# Altium PCB PCB1.PcbDoc (part 2 of 2)
Units mm, origin at the board's own origin, x right, y up, seen from the top; angles counter-clockwise.
Board outline 131 x 56.04 mm, 2 copper layers (Top Layer, Bottom Layer), stack 1.036 mm thick; 213 components, 147 nets, 680 pads, 334 vias.
Unrouted connection lines stored in the file: 4.
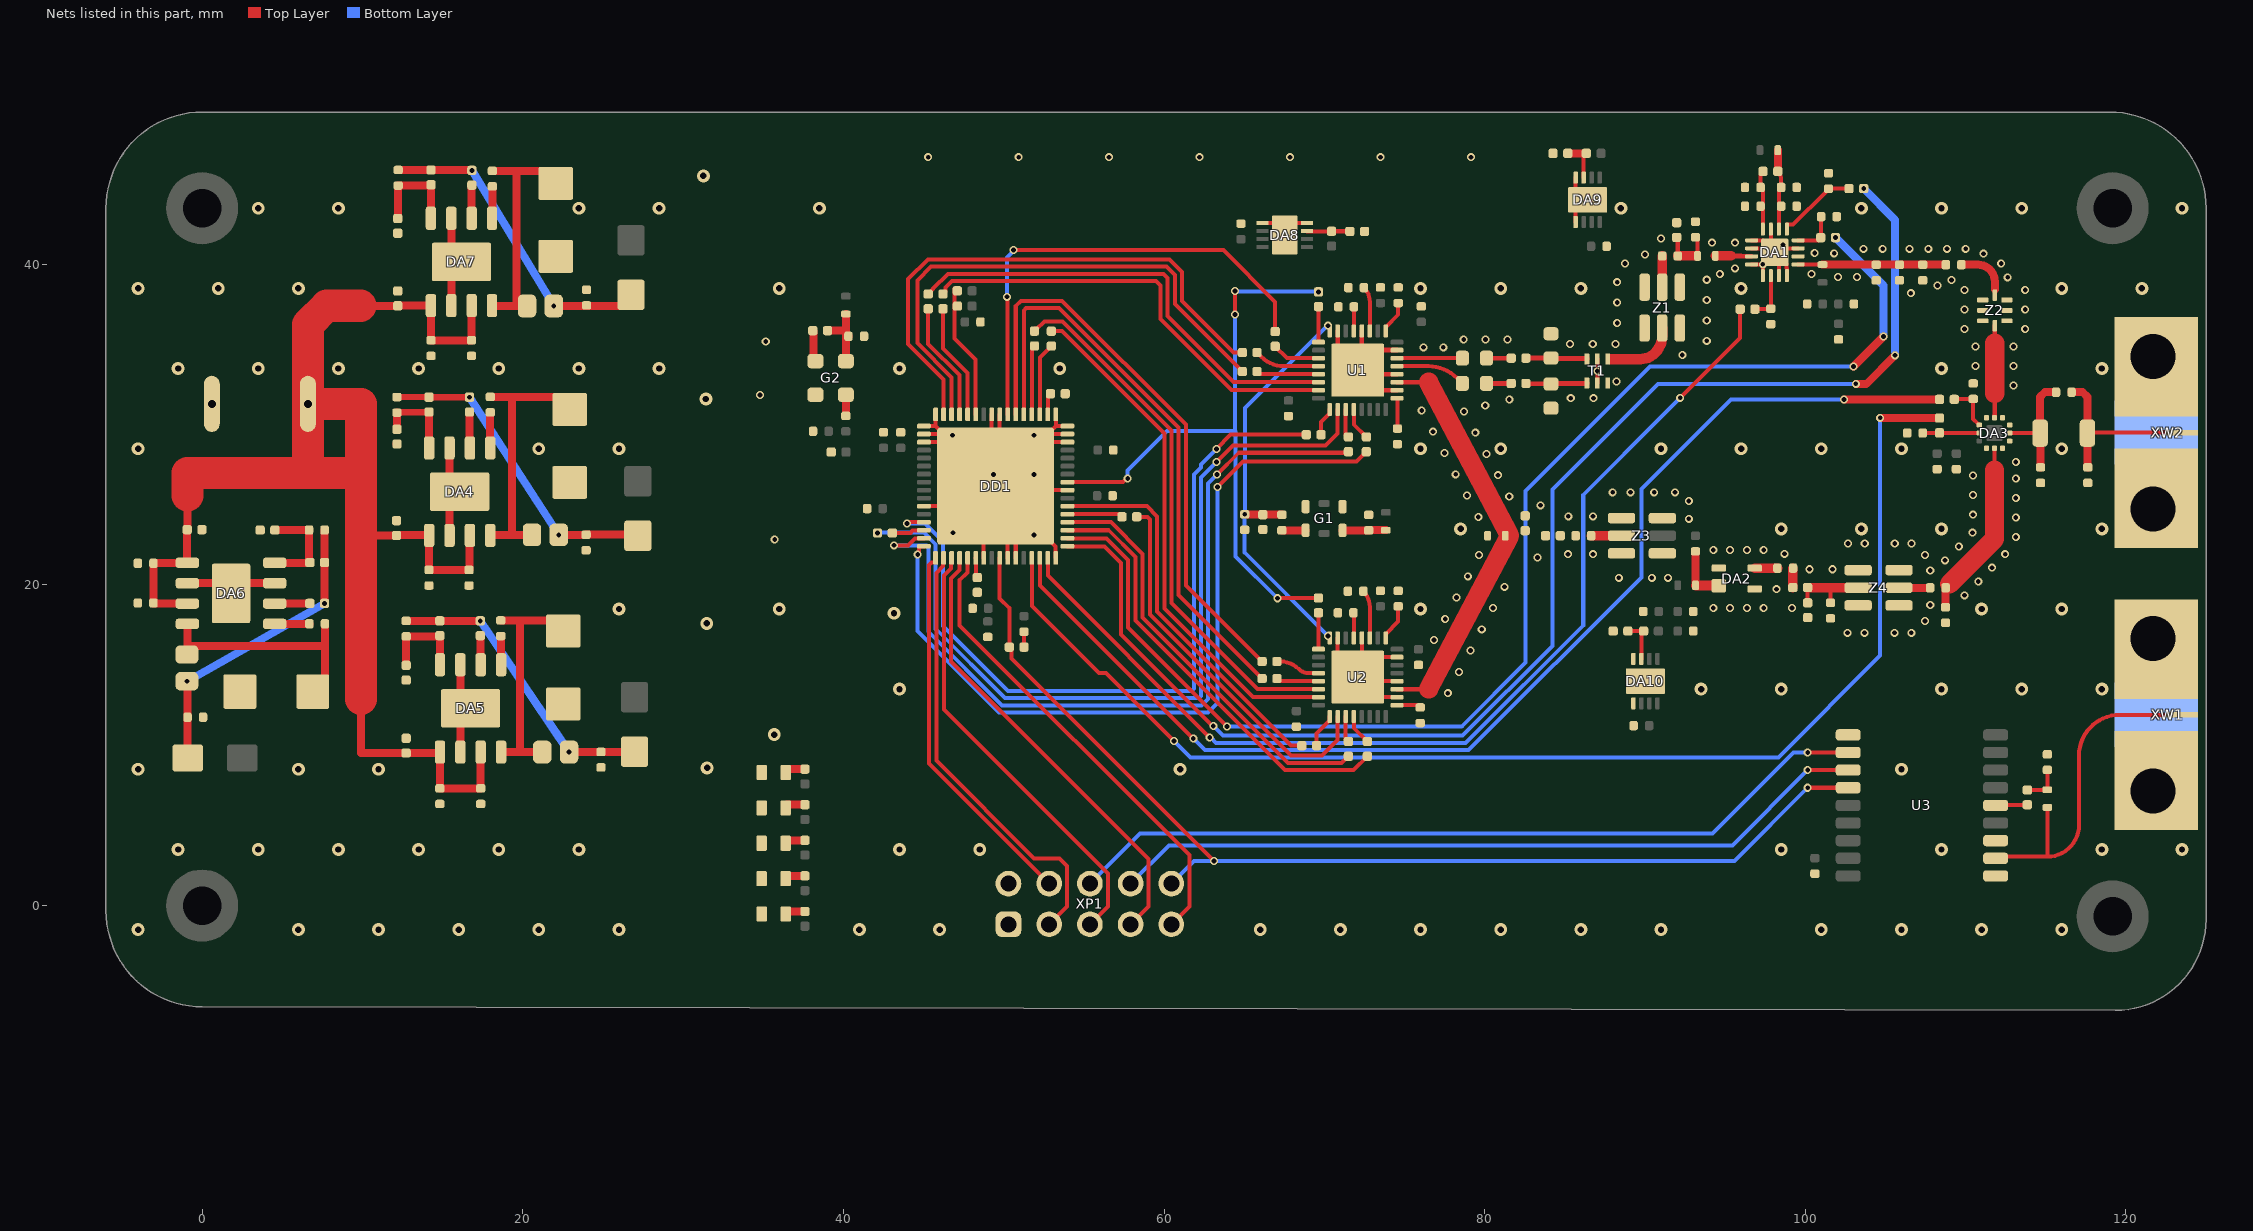
[diagram p2: the nets of this part, all layers, seen from the top]

## Via types
v1: diameter 0.5, hole 0.3, Top Layer to Bottom Layer, tented both sides, 218 vias
v2: diameter 0.8, hole 0.4, Top Layer to Bottom Layer, tented both sides, 98 vias
v3: diameter 0.6, hole 0.3, Top Layer to Bottom Layer, tented both sides, 18 vias

## Nets (pads, with @x,y where several pads share a name; then routed paths per layer and width w, separated by ;. In a path a pad name is that pad's centre, name@x,y a point inside that pad or via, vN(x,y) a via of type N, cw(c..) or ccw(c..) an arc to the next point about the centre after c; other vN are vias at no path point) (continued)
GND: C1.1 C2.1 C3.2 C4.2 C5.2 C6.1 C7.2 C8.1 C9.2 C10.2 C11.2 C12.2 C13.1 C14.1 C15.2 C17.2 C20.1 C21.2 C22.1 C23.1 C24.1 C26.2 C27.1 C28.1 C29.1 C30.1 C31.2 C32.2 C33.2 C34.2 C35.2 C36.2 C38.2 C39.2 C40.2 C41.2 C42.2 C43.2 C44.2 C45.2 C46.2 C47.2 C49.2 C51.2 C53.2 C55.2 C56.1 C58.2 C59.2 C60.1 C61.1 C62.1 C63.1 C64.2 C65.1 C67.1 C68.2 C69.2 C70.2 C71.2 C72.2 C73.2 C74.2 C75.2 C84.2 C85.2 C86.2 C87.2 C88.2 C89.2 C90.2 DA1.1 DA1.2 DA1.4 DA1.5 DA1.7 DA1.8 DA1.11 DA1.15 DA1.17 DA2.2 DA2.4 DA3.1 DA3.3 DA3.4 DA3.6 DA3.10 DA3.12 DA4.3 DA4.6 DA4.9 DA5.3 DA5.6 DA5.9 DA6.3 DA6.6 DA6.9 DA7.3 DA7.6 DA7.9 DA8.4 DA8.5 DA8.9 DA9.4 DA9.5 DA9.9 DA10.4 DA10.5 DA10.9 DD1.7 DD1.10 DD1.11 DD1.16 DD1.24 DD1.30 DD1.31 DD1.32 DD1.33 DD1.40 DD1.41 DD1.48 DD1.49 DD1.50 DD1.51 DD1.59 DD1.65 G1.1 G1.3 G2.2 L7.2 R1.2 R20.2 R22.1 R26.1 R29.1 R34.2 R40.2 R43.2 R48.2 R49.2 R50.2 R51.2 R56.2 R57.2 R58.2 R59.2 R65.2 R67.2 R69.2 T1.2 T1.5 T1.6 U1.4 U1.7 U1.26 U1.28 U1.31 U1.33 U2.4 U2.7 U2.26 U2.28 U2.31 U2.33 U3.1 U3.10 U3.12 VD1.2 VD2.2 VD3.2 VD4.2 VD5.2 VD6.2 VD7.2 VD8.2 VD9.2 XP1.1 XP1.2 XP2.2 XW1.2 XW2.2 Z1.1 Z1.3 Z1.4 Z1.6 Z2.1 Z2.2 Z2.3 Z2.5 Z2.6 Z2.7 Z3.1 Z3.3 Z3.4 Z3.6 Z4.1 Z4.3 Z4.4 Z4.6 | length 133.3
  Top Layer w0.25: DD1.59@45.025,24.913 48.25,24.913 DD1.65@48.75,25.413 ; DD1.51@45.025,28.913 DD1.65@46.75,28.913 ; DD1.50@45.025,29.413 DD1.65@46.25,29.413 ; DD1.49@45.025,29.913 45.75,29.913 ; DD1.48@45.75,30.638 45.75,29.913 ; DD1.7@48.75,21.688 DD1.65@48.75,25.413 ; DD1.41@49.25,30.638 DD1.65@49.25,26.412 ; DD1.40@49.75,30.638 49.75,26.412 DD1.65@49.5,26.163 ; DD1.10@50.25,21.688 DD1.65@50.25,25.413 ; DD1.11@50.75,21.688 DD1.65@50.75,24.881 ; R22.1@51.265,16.121 C39.2@51.265,17.085 ; DD1.16@53.25,21.688 53.225,21.713 53.225,22.406 DD1.65@50.75,24.881 ; DD1.33@53.25,30.638 53.25,29.913 ; DD1.24@53.975,25.913 DD1.65@49.75,25.913 ; DD1.30@53.975,28.913 DD1.65@52.25,28.913 ; DD1.31@53.975,29.413 DD1.65@52.75,29.413 ; DD1.32@53.975,29.913 53.25,29.913 ; C88.2@64.8,42.578 C88.2@64.8,42.588 ; DA8.5@66.14,42.578 DA8.9@67.525,42.578 ; DA8.9@67.525,41.828 DA8.9@67.525,42.578 ; DA8.4@68.91,42.578 DA8.9@67.525,42.578 ; U2.7@70.835,16.697 70.835,14.247 U2.33@72.085,14.247 ; U2.4@72.335,16.697 U2.33@72.335,15.497 ; U2.26@74.535,12.997 72.085,12.997 U2.33@72.085,13.997 ; U2.28@74.535,13.997 U2.33@72.085,13.997 ; U2.31@74.535,15.497 U2.33@72.335,15.497 ; DA9.5@85.665,42.64 DA9.5@85.675,42.64 DA9.9@85.675,44.025 ; DA9.4@85.675,45.41 DA9.9@85.675,44.025 ; DA9.9@86.425,44.025 DA9.9@85.675,44.025 ; T1.5@87.028,32.6 T1.2@87.028,34.1 ; DA1.4@96.65,40 v1(97.35,40) ; DA1.2@96.65,41 DA1.17@97.85,41 ; DA1.1@96.65,41.5 97.102,41.5 97.127,41.475 97.375,41.475 DA1.17@97.85,41 ; DA1.5@97.35,39.3 v1(97.35,40) ; DA1.15@97.85,42.2 DA1.17@97.85,41 ; DA1.7@98.35,39.3 DA1.17@98.35,40.5 ; DA1.8@98.85,39.3 98.85,39.752 98.825,39.777 98.825,40.025 DA1.17@98.35,40.5 ; DA1.11@99.55,41 98.35,41 DA1.17@98.1,40.75 ; 45.75,29.913 DD1.65@46.25,29.413 ; DD1.65@46.25,29.413 DD1.65@46.75,28.913 ; DD1.65@46.75,28.913 DD1.65@49.25,26.412 ; DD1.65@48.75,25.413 DD1.65@49.5,26.163 ; DD1.65@49.25,26.412 DD1.65@49.5,26.163 ; DD1.65@49.5,26.163 DD1.65@49.75,25.913 ; DD1.65@49.5,26.163 DD1.65@52.25,28.913 ; DD1.65@49.75,25.913 DD1.65@50.25,25.413 ; DD1.65@50.25,25.413 50.75,24.913 DD1.65@50.75,24.881 ; DD1.65@52.25,28.913 DD1.65@52.75,29.413 ; DD1.65@52.75,29.413 53.25,29.913 ; U2.33@72.085,13.997 U2.33@72.085,14.247 ; U2.33@72.085,14.247 72.335,14.247 U2.33@72.335,15.497 ; U2.33@72.085,14.247 72.085,15.497 U2.33@72.335,15.497 ; v1(97.35,40) DA1.17@98.1,40.75 ; DA1.17@97.85,41 DA1.17@98.1,40.75 ; DA1.17@98.1,40.75 DA1.17@98.35,40.5
  Top Layer w0.3: U1.7@70.835,35.847 70.835,33.897 U1.33@72.085,32.647 ; U1.33@70.859,34.622 U1.33@72.085,33.397 ; U1.4@72.335,35.847 U1.33@72.335,34.647 ; U1.26@74.535,32.147 72.085,32.147 U1.33@72.085,33.147 ; U1.28@74.535,33.147 U1.33@72.085,33.147 ; U1.31@74.535,34.647 U1.33@72.335,34.647 ; U1.33@72.085,33.147 U1.33@72.085,33.397 ; U1.33@72.085,33.397 72.085,34.647 U1.33@72.335,34.647 ; U1.33@72.085,33.397 72.335,33.397 U1.33@72.335,34.647
  Top Layer w0.5: DA6.6@-0.925,20.11 DA6.9@1.8,20.11 ; DA6.9@1.8,19.475 DA6.9@1.8,20.11 ; DA6.3@4.525,20.11 DA6.9@1.8,20.11 ; R56.2@12.125,28.79 R56.2@12.15,28.79 ; DA4.6@15.431,23.091 15.431,25.181 DA4.9@16.066,25.816 15.431,26.451 DA4.3@15.431,28.541 ; DA7.6@15.54,37.425 DA7.9@15.54,40.15 ; DA7.3@15.54,42.875 DA7.9@15.54,40.15 ; DA5.6@16.105,9.575 DA5.9@16.105,12.3 ; DA5.3@16.105,15.025 DA5.9@16.105,12.3 ; DA7.9@16.175,40.15 DA7.9@15.54,40.15 ; DA5.9@16.74,12.3 DA5.9@16.105,12.3
  other v1: 77.701,13.249 78.407,14.576 79.113,15.904 76.832,16.558 102.643,17.017 103.692,17.017 105.564,17.017 106.613,17.017 79.819,17.232 107.469,17.753 77.538,17.885 80.525,18.559 94.261,18.566 95.31,18.566 96.36,18.566 97.409,18.566 99.163,18.566 107.795,18.741 78.244,19.213 109.933,19.354 98.198,19.735 81.231,19.887 110.795,20.216 88.368,20.446 90.425,20.446 91.441,20.446 78.95,20.54 107.795,20.903 100.255,20.979 101.703,20.979 111.657,21.078 108.713,21.538 83.301,21.706 79.656,21.868 107.469,21.868 85.193,21.919 86.768,21.919 112.473,21.919 98.706,21.944 94.261,22.182 95.31,22.182 96.36,22.182 97.409,22.182 109.576,22.4 102.66,22.579 103.71,22.579 105.581,22.579 106.631,22.579 35.714,22.833 113.133,22.986 110.438,23.262 92.737,24.129 113.133,24.205 79.604,24.247 85.218,24.281 86.768,24.281 110.466,24.383 83.49,24.968 92.737,25.246 113.133,25.424 81.534,25.517 78.898,25.575 110.466,25.602 87.987,25.78 89.105,25.78 90.578,25.78 91.873,25.78 113.133,26.643 110.466,26.821 80.829,26.845 78.192,26.902 113.133,27.663 80.123,28.172 77.486,28.23 79.417,29.5 76.78,29.558 78.711,30.828 76.074,30.885 80.037,31.19 81.535,31.571 85.371,31.647 86.793,31.647 34.799,31.85 112.981,32.435 88.228,32.7 87.028,33.35 110.618,33.654 112.981,33.654 92.33,34.34 76.176,34.822 77.421,34.822 110.618,34.873 112.981,34.873 85.32,35.025 86.742,35.025 88.165,35.025 35.155,35.178 93.854,35.229 78.691,35.305 80.062,35.305 81.434,35.305 109.933,35.965 113.717,35.965 88.266,36.346 93.854,36.499 109.933,37.184 113.717,37.184 88.266,37.616 93.854,37.769 106.58,38.2 109.933,38.404 113.717,38.404 108.256,38.683 88.266,38.886 109.12,39.013 93.854,39.039 112.625,39.191 102.033,39.216 103.227,39.216 94.667,39.394 100.382,39.394 95.607,39.75 88.749,40.055 112.219,40.055 89.994,40.613 111.126,40.664 101.805,40.69 100.585,40.715 103.633,40.969 104.827,40.969 106.504,40.969 107.672,40.969 108.84,40.969 110.009,40.969 98.604,41.223 94.185,41.35 95.607,41.35 90.999,41.619 45.29,46.684 50.933,46.684 56.576,46.684 62.219,46.684 67.862,46.684 73.505,46.684 79.148,46.684
  other v2: -4,-1.5 6,-1.5 11,-1.5 16,-1.5 21,-1.5 26,-1.5 41,-1.5 46,-1.5 66,-1.5 71,-1.5 76,-1.5 81,-1.5 86,-1.5 91,-1.5 101,-1.5 106,-1.5 111,-1.5 116,-1.5 -1.5,3.5 3.5,3.5 8.5,3.5 13.5,3.5 18.5,3.5 23.5,3.5 43.5,3.5 48.5,3.5 98.5,3.5 108.5,3.5 118.5,3.5 123.5,3.5 -4,8.5 6,8.5 11,8.5 61,8.5 106,8.5 31.496,8.585 35.687,10.668 43.5,13.5 93.5,13.5 98.5,13.5 108.5,13.5 113.5,13.5 118.5,13.5 31.471,17.602 43.155,18.237 26,18.5 36,18.5 76,18.5 111,18.5 116,18.5 78.5,23.5 98.5,23.5 103.5,23.5 108.5,23.5 118.5,23.5 -4,28.5 21,28.5 26,28.5 76,28.5 81,28.5 91,28.5 96,28.5 101,28.5 106,28.5 116,28.5 31.42,31.598 -1.5,33.5 3.5,33.5 8.5,33.5 13.5,33.5 18.5,33.5 23.5,33.5 28.5,33.5 43.5,33.5 53.5,33.5 108.5,33.5 118.5,33.5 -4,38.5 1,38.5 6,38.5 36,38.5 76,38.5 81,38.5 86,38.5 96,38.5 116,38.5 121,38.5 3.5,43.5 8.5,43.5 23.5,43.5 28.5,43.5 38.5,43.5 88.5,43.5 103.5,43.5 108.5,43.5 113.5,43.5 123.5,43.5 31.267,45.517
  other v3: 51.89,23.108 46.843,23.252 49.367,26.893 51.89,26.893 46.796,29.341 51.89,29.341
GPS_NSS: DD1.9 R22.2 U3.4 XP1.10 | length 69.1
  Top Layer w0.25: DD1.9@49.75,21.688 49.75,19.146 50.345,18.551 R22.2@50.345,16.121 50.498,15.968 50.498,15.402 v1(63.125,2.775) ; v1(100.15,7.35) U3.4@102.675,7.35
  Bottom Layer w0.25: XP1.10@60.455,1.37 61.86,2.775 95.575,2.775 v1(100.15,7.35)
GPS_RX: U3.3 XP1.8 | length 47.7
  Top Layer w0.25: v1(100.15,8.45) U3.3@102.675,8.45
  Bottom Layer w0.25: XP1.8@57.915,1.37 60.295,3.75 95.45,3.75 v1(100.15,8.45)
GPS_TX: U3.2 XP1.6 | length 50.7
  Top Layer w0.25: v1(100.15,9.55) U3.2@102.675,9.55
  Bottom Layer w0.25: XP1.6@55.375,1.37 58.505,4.5 94.211,4.5 99.261,9.55 v1(100.15,9.55)
IRXD_A: R36.2 U1.15 | length 28
  Top Layer w0.25: R36.2@46.213,38.147 46.365,38.299 46.365,38.561 46.766,38.962 59.506,38.962 59.777,38.691 59.777,36.58 64.21,32.147 U1.15@69.635,32.147
IRXD_B: R32.1 U2.15 | length 32.5
  Top Layer w0.25: R32.1@52.969,35.829 53.634,35.829 60.016,29.447 60.016,18.527 65.546,12.997 U2.15@69.635,12.997
ITXD_A: DD1.46 R6.1 | length 33.7
  Top Layer w0.25: DD1.46@46.75,30.638 46.75,32.946 44.61,35.087 44.61,38.997 45.474,39.862 60.149,39.862 60.677,39.335 60.677,37.52 R6.1@64.885,33.312
ITXD_B: DD1.37 R10.1 | length 37.1
  Top Layer w0.25: DD1.37@51.25,30.638 51.25,37.129 51.396,37.275 53.461,37.275 60.916,29.82 60.916,19.367 R10.1@66.122,14.162
LNA_A_CTRL: DD1.14 R44.1 | length 74.4
  Top Layer w0.25: DD1.14@52.25,21.688 52.25,19.975 61.8,10.425 v1(61.825,10.425)
  Top Layer w0.5: v1(102.425,31.575) R44.1@108.375,31.575
  Bottom Layer w0.25: v1(61.825,10.425) 62.554,9.696 79.005,9.696 89.775,20.466 89.775,25.975 95.375,31.575 v1(102.425,31.575)
MISO_A: R35.2 U1.18 | length 52.4
  Top Layer w0.25: v1(63.271,27.671) 64.298,28.697 70.074,28.697 70.835,29.457 U1.18@70.835,30.947
  Bottom Layer w0.25: v1(42.13,23.242) 42.16,23.272 43.712,23.272 43.721,23.263 44.198,23.263 44.207,23.272 45.018,23.272 45.76,22.53 45.76,17.268 50.093,12.934 62.158,12.934 62.304,13.081 62.304,26.704 v1(63.271,27.671)
MISO_B: R31.1 U2.18 | length 24.1
  Top Layer w0.25: R31.1@58.295,24.254 58.96,24.254 59.116,24.097 59.116,18.154 67.91,9.36 69.856,9.36 70.835,10.338 U2.18@70.835,11.797
MOSI_A: DD1.63 R5.1 | length 52
  Top Layer w0.25: v1(43.16,22.472) 44.044,22.472 44.459,22.888 45,22.888 DD1.63@45.025,22.913 ; v1(63.298,26.884) 64.661,28.247 71.435,28.247 R5.1@71.5,28.312
  Bottom Layer w0.25: v1(43.16,22.472) 45.182,22.472 45.31,22.344 45.31,17.081 49.907,12.484 62.344,12.484 62.754,12.894 62.754,26.34 v1(63.298,26.884)
MOSI_B: DD1.20 R9.1 | length 26.2
  Top Layer w0.25: DD1.20@53.975,23.913 56.688,23.913 58.666,21.934 58.666,17.968 67.734,8.9 71.085,8.9 R9.1@71.5,9.315
NetC3_1: C3.1 U1.25 | length 1.9
  Top Layer w0.25: U1.25@74.535,31.647 74.56,31.622 C3.1@74.56,29.757
NetC4_1: C4.1 U2.25 | length 1.5
  Top Layer w0.25: U2.25@74.535,12.497 75.842,12.497 C4.1@75.982,12.357
NetC5_1: C5.1 U1.3 | length 2.8
  Top Layer w0.25: C5.1@72.47,38.547 cw(c71.588,37.666) 72.835,37.666 U1.3@72.835,35.847
NetC7_1: C7.1 U2.3 | length 3
  Top Layer w0.25: C7.1@72.432,19.61 cw(c71.459,18.637) 72.835,18.637 U2.3@72.835,16.697
NetC9_1: C9.1 U1.5 | length 1.5
  Top Layer w0.25: U1.5@71.835,35.847 71.84,35.852 71.84,37.342 C9.1@71.845,37.347
NetC10_1: C10.1 U2.5 | length 1.6
  Top Layer w0.25: C10.1@71.817,18.265 71.835,18.247 U2.5@71.835,16.697
NetC11_1: C11.1 U1.1 | length 2.1
  Top Layer w0.25: U1.1@73.835,35.847 73.835,36.097 74.61,36.872 C11.1@74.61,37.587
NetC12_1: C12.1 U2.1 | length 2.3
  Top Layer w0.25: U2.1@73.835,16.697 73.835,16.947 74.607,17.719 C12.1@74.607,18.665
NetC15_1: C15.1 G1.6 L1.2 | length 2.7
  Top Layer w0.5: G1.6@71.135,23.409 C15.1@72.768,23.408 72.767,23.417 L1.2@73.835,23.417 ; C15.1@72.768,23.408 C15.1@72.783,23.393
NetC16_1: C16.1 G1.4 | length 1.5
  Top Layer w0.5: C16.1@67.35,23.41 G1.4@68.835,23.41
NetC18_1: C18.1 U1.30 | length 4.1
  Top Layer w0.25: U1.30@74.535,34.147 C18.1@78.61,34.147
NetC18_2: C18.2 R15.1 | length 1.7
  Top Layer w0.3: C18.2@80.12,34.147 R15.1@81.655,34.147 R15.1@81.547,34.04
NetC19_1: C19.1 U1.29 | length 4.4
  Top Layer w0.25: U1.29@74.535,33.647 76.482,33.647 cw(c76.482,31.107) 78.278,32.903 C19.1@78.61,32.572
NetC19_2: C19.2 R16.1 | length 1.5
  Top Layer w0.3: C19.2@80.12,32.572 R16.1@81.655,32.572
NetC20_2: C20.2 R15.2 T1.3 | length 3.9
  Top Layer w0.3: R15.2@82.575,34.147 82.581,34.153 84.133,34.153 C20.2@84.14,34.16 C20.2@84.17,34.13 ; C20.2@84.14,34.1 C20.2@84.17,34.13 ; T1.3@86.378,34.1 86.378,34.13 C20.2@84.17,34.13
NetC21_1: C21.1 R16.2 T1.4 | length 3.9
  Top Layer w0.3: R16.2@82.575,32.572 82.591,32.556 84.036,32.556 84.08,32.6 C21.1@84.14,32.54 84.17,32.57 86.378,32.57 T1.4@86.378,32.6
NetC25_1: C25.1 Z1.5 | length 2
  Top Layer w0.6: Z1.5@91.075,38.575 C25.1@91.075,40.525
NetC25_2: C25.2 C26.1 L2.1 R20.1 | length 3.5
  Top Layer w0.25: R20.1@91.975,41.68 92.045,41.61 C25.2@92.045,40.525 ; C26.1@93.15,41.69 93.278,41.562 L2.1@93.278,40.527
  Top Layer w0.6: C25.2@92.045,40.525 L2.1@93.188,40.525
NetC31_1: C31.1 C33.1 C35.1 C37.1 DA1.9 DA1.10 L4.2 | length 9.2
  Top Layer w0.25: DA1.9@99.55,40 101.06,40 L4.2@101.075,39.985 L4.2@101.08,39.98 ; C31.1@104.42,39.98 C31.1@104.425,39.975
  Top Layer w0.5: L4.2@101.08,39.98 C31.1@104.42,39.98 ; C31.1@104.425,39.975 C33.1@105.875,39.975 C35.1@107.325,39.975 C37.1@108.765,39.975
NetC37_2: C37.2 Z2.8 | length 3.2
  Top Layer w0.5: C37.2@109.735,39.975 110.781,39.975 cw(c110.781,38.931) 111.825,38.931 111.825,38.425
NetC46_1: C46.1 G2.4 L5.2 R30.1 | length 4.2
  Top Layer w0.5: R30.1@39.01,35.863 40.165,35.863 40.158,35.87 ; G2.4@40.15,33.963 40.158,33.97 C46.1@40.158,35.512 ; L5.2@40.15,36.908 40.158,36.9 40.158,35.87 ; C46.1@40.315,35.512 40.315,35.537 40.158,35.695 40.158,35.87
NetC48_1: C48.1 G2.3 | length 1.3
  Top Layer w0.5: C48.1@40.15,30.548 G2.3@40.15,31.862
NetC50_2: C50.2 DA2.1 L6.2 | length 3.6
  Top Layer w0.25: C50.2@93.15,22.095 C50.2@93.152,22.093 ; L6.2@93.152,19.978 L6.2@93.155,19.975 L6.2@93.167,19.963 ; DA2.1@94.592,19.963 DA2.1@94.605,19.95
  Top Layer w0.5: L6.2@93.152,19.978 C50.2@93.152,22.093
  Top Layer w0.6: L6.2@93.167,19.963 DA2.1@94.592,19.963
NetC52_1: C52.1 R41.1
NetC52_2: C52.2 Z3.2 | length 1.9
  Top Layer w0.6: C52.2@86.645,23.072 Z3.2@88.535,23.072
NetC54_1: C54.1 DA2.3 | length 1.4
  Top Layer w0.6: DA2.3@96.845,21.05 C54.1@98.265,21.05
NetC54_2: C54.2 R42.2 | length 1.2
  Top Layer w0.25: R42.2@99.225,19.835 R42.2@99.23,19.84 ; C54.2@99.23,21.045 C54.2@99.235,21.05
  Top Layer w0.6: R42.2@99.23,19.84 C54.2@99.23,21.045
NetC56_2: C56.2 R42.1 R43.1 Z4.2 | length 5.1
  Top Layer w0.25: R42.1@100.145,19.835 R42.1@100.147,19.832 ; R43.1@100.15,18.885 100.147,18.888 R42.1@100.147,19.832 ; R42.1@100.15,19.83 R42.1@100.147,19.832 ; 101.521,19.83 101.575,19.776 C56.2@101.575,18.885 ; Z4.2@103.295,19.83 Z4.2@103.3,19.825
  Top Layer w0.6: R42.1@100.15,19.83 101.521,19.83 Z4.2@103.295,19.83
NetC57_1: C57.1 Z4.5 | length 1.9
  Top Layer w0.5: Z4.5@105.85,19.825 C57.1@107.785,19.825
NetC59_1: C59.1 L8.1 R46.1 | length 2.5
  Top Layer w0.25: R46.1@113.85,7.21 113.86,7.22 115.09,7.22 L8.1@115.1,7.23 C59.1@115.1,8.465
NetC65_2: C65.2 C66.2 DA3.2 R47.1 | length 7.4
  Top Layer w0.25: DA3.2@112.75,29.475 R47.1@114.65,29.475
  Top Layer w0.5: C65.2@114.675,27.335 114.662,27.348 114.662,29.463 R47.1@114.65,29.475 114.65,31.732 114.943,32.025 C66.2@115.64,32.025
NetC66_1: C66.1 C67.2 R47.2 XW2.1 | length 11.4
  Top Layer w0.25: R47.2@117.625,29.5 XW2.1@123.498,29.5
  Top Layer w0.5: C66.1@116.61,32.025 117.307,32.025 117.6,31.732 R47.2@117.6,29.475 ; R47.2@117.613,29.463 117.613,27.348 C67.2@117.625,27.335
NetC76_1: C76.1 DA4.1 | length 2.2
  Top Layer w0.25: DA4.1@17.955,28.575 DA4.1@17.965,28.585 ; C76.1@17.965,30.755 C76.1@17.975,30.765
  Top Layer w0.5: DA4.1@17.955,28.575 17.955,30.75 17.97,30.765 C76.1@17.975,30.765
NetC76_2: C76.2 DA4.8 L9.1 VD6.1 | length 16.2
  Top Layer w0.5: DA4.8@17.955,23.125 19.34,23.125 ; C76.2@17.975,31.735 19.34,31.735 ; L9.1@20.275,23.125 19.34,23.125 ; VD6.1@22.925,30.95 22.875,30.95 22.09,31.735 19.34,31.735 ; 19.34,23.125 19.34,31.735
NetC77_1: C77.1 DA5.1 | length 1.8
  Top Layer w0.5: C77.1@18.625,16.815 18.645,16.815 DA5.1@18.645,15.025
NetC77_2: C77.2 DA5.8 L10.1 VD7.1 | length 16.7
  Top Layer w0.5: C77.2@18.625,17.785 19.825,17.785 ; DA5.8@18.645,9.575 19.825,9.575 ; VD7.1@22.525,17.125 22.525,17.785 19.825,17.785 ; 19.825,9.575 L10.1@21.215,9.575 19.825,9.575 ; 19.825,9.575 19.825,17.785
NetC78_1: C78.1 DA6.1 | length 2.2
  Top Layer w0.5: DA6.1@4.525,17.57 6.69,17.57 C78.1@6.69,17.575
NetC78_2: C78.2 DA6.8 L11.1 VD8.1 | length 16.9
  Top Layer w0.5: DA6.8@-0.925,17.57 L11.1@-0.925,16.2 ; VD8.1@7.05,12.85 7.66,12.85 7.66,16.2 ; C78.2@7.66,17.575 7.66,16.2 ; L11.1@-0.925,16.2 -0.925,15.41 L11.1@-0.925,16.2 ; L11.1@-0.925,16.2 7.66,16.2
NetC79_1: C79.1 DA7.1 | length 2
  Top Layer w0.5: DA7.1@18.08,42.875 18.1,42.875 C79.1@18.1,44.865
NetC79_2: C79.2 DA7.8 L12.1 VD9.1 | length 15.4
  Top Layer w0.5: DA7.8@18.08,37.425 18.08,37.4 19.6,37.4 ; C79.2@18.1,45.835 19.6,45.835 ; L12.1@20.265,37.4 19.6,37.4 ; VD9.1@22.05,45.05 22.05,45.835 19.6,45.835 ; 19.6,37.4 19.6,45.835
NetC80_1: C80.1 C84.1 L9.2 R52.2 R60.1 VD10.2 | length 18.9
  Top Layer w0.381: C80.1@12.15,31.72 12.155,31.715 14.145,31.715 R60.1@14.15,31.71 v1(16.675,31.71) ; VD10.2@26.335,23.135 VD10.2@26.35,23.15
  Top Layer w0.5: v1(22.245,23.125) 22.25,23.13 23.945,23.13 C84.1@23.95,23.135 26.335,23.135 26.35,23.135 VD10.2@26.35,23.15
  Bottom Layer w0.5: v1(16.675,31.71) v1(22.245,23.125)
NetC80_2: C80.2 DA4.4 R56.1 R60.2 | length 5.3
  Top Layer w0.381: C80.2@12.15,30.75 12.17,30.77 14.13,30.77 R60.2@14.15,30.79 ; DA4.4@14.145,28.575 DA4.4@14.147,28.578
  Top Layer w0.5: R56.1@12.15,29.71 C80.2@12.15,30.75 ; R60.2@14.13,30.77 14.147,30.753 DA4.4@14.147,28.578
NetC81_1: C81.1 C85.1 L10.2 R53.2 R61.1 VD11.2 | length 18.6
  Top Layer w0.5: C81.1@12.725,17.76 R61.1@14.825,17.76 v1(17.35,17.76) ; v1(22.885,9.575) 22.885,9.585 C85.1@24.875,9.585 26.975,9.585 VD11.2@26.975,9.6
  Bottom Layer w0.5: v1(17.35,17.76) v1(22.885,9.575)
NetC81_2: C81.2 DA5.4 R57.1 R61.2 | length 5.8
  Top Layer w0.5: R57.1@12.725,14.985 C81.2@12.725,16.79 14.825,16.79 R61.2@14.825,16.84 14.835,16.84 DA5.4@14.835,15.025
NetC82_1: C82.1 C86.1 L11.2 R54.2 R62.1 VD12.2 | length 19
  Top Layer w0.5: L11.2@-0.95,13.74 -0.93,13.72 -0.93,11.765 C86.1@-0.915,11.75 -0.915,9.45 VD12.2@-0.9,9.45 ; v1(-0.95,13.99) -0.925,13.965 L11.2@-0.925,13.74 ; v1(7.635,18.85) R62.1@7.635,21.4 C82.1@7.635,23.425
  Bottom Layer w0.5: v1(-0.95,13.99) v1(7.635,18.85)
NetC82_2: C82.2 DA6.4 R58.1 R62.2 | length 6.4
  Top Layer w0.5: DA6.4@4.525,21.38 6.715,21.38 R62.2@6.715,21.4 6.665,21.4 C82.2@6.665,23.425 R58.1@4.535,23.425
NetC83_1: C83.1 C87.1 L12.2 R55.2 R63.1 VD13.2 | length 20.5
  Top Layer w0.5: C83.1@12.225,45.885 R63.1@14.275,45.885 16.825,45.885 v1(16.825,45.86) ; v1(21.935,37.4) 21.935,37.415 27.25,37.415 VD13.2@27.25,38.1
  Bottom Layer w0.5: v1(16.825,45.86) v1(21.935,37.4)
NetC83_2: C83.2 DA7.4 R59.1 R63.2 | length 6.3
  Top Layer w0.5: R59.1@12.2,42.86 12.225,42.86 C83.2@12.225,44.915 R63.2@14.27,44.915 ; DA7.4@14.27,42.875 R63.2@14.27,44.915 ; R63.2@14.27,44.915 14.27,44.965 R63.2@14.275,44.965 14.275,44.915 R63.2@14.27,44.915
NetDA1_3: DA1.3 L2.2 | length 2.5
  Top Layer w0.25: DA1.3@96.375,40.5 DA1.3@96.65,40.5
  Top Layer w0.3: 95.373,40.527 95.959,40.527 cw(c95.959,40.434) 96.025,40.5 DA1.3@96.65,40.5
  Top Layer w0.6: L2.2@94.388,40.527 95.373,40.527
NetDA4_2: DA4.2 R52.1 | length 2.2
  Top Layer w0.381: R52.1@16.675,30.79 R52.1@16.68,30.785 ; DA4.2@16.68,28.58 DA4.2@16.685,28.575
  Top Layer w0.5: DA4.2@16.68,28.58 R52.1@16.68,30.785
NetDA5_2: DA5.2 R53.1 | length 1.8
  Top Layer w0.5: R53.1@17.35,16.84 17.35,15.025 DA5.2@17.375,15.025
NetDA6_2: DA6.2 R54.1 | length 2.2
  Top Layer w0.5: DA6.2@4.525,18.84 4.525,18.85 R54.1@6.715,18.85
NetDA7_2: DA7.2 R55.1 | length 2.1
  Top Layer w0.5: DA7.2@16.81,42.875 16.81,44.94 R55.1@16.825,44.94
NetDA8_3: DA8.3 R64.2 R65.1 | length 2.7
  Top Layer w0.25: DA8.3@68.91,42.078 68.91,42.063 R64.2@70.45,42.063
  Top Layer w0.3: R64.2@70.45,42.063 70.455,42.058 71.585,42.058 R65.1@71.59,42.053
NetDA9_3: DA9.3 R66.2 R67.1 | length 2.7
  Top Layer w0.25: DA9.3@86.175,45.41 86.175,46.925 R66.2@86.29,46.925
  Top Layer w0.5: R67.1@85.185,46.925 R66.2@86.175,46.925 ; R66.2@86.29,46.925 R66.2@86.34,46.925
NetDA10_3: DA10.3 R68.2 R69.1 | length 2.7
  Top Layer w0.25: R69.1@88.935,17.125 R68.2@89.775,17.125 ; DA10.3@89.775,15.385 R68.2@89.775,17.125 ; R68.2@89.915,17.125 R68.2@89.775,17.125
NetDD1_6: DD1.6 R26.2 | length 1.3
  Top Layer w0.25: DD1.6@48.25,21.688 48.275,21.663 48.275,20.535 R26.2@48.35,20.46
NetDD1_21: DD1.21 R31.2 | length 3.5
  Top Layer w0.25: DD1.21@53.975,24.413 57.205,24.413 57.364,24.254 R31.2@57.375,24.254
NetDD1_34: DD1.34 R29.2 | length 1.4
  Top Layer w0.25: DD1.34@52.75,30.638 52.75,31.765 R29.2@52.915,31.93
NetDD1_35: DD1.35 R32.2 | length 4.6
  Top Layer w0.25: DD1.35@52.25,30.638 52.25,34.19 R32.2@52.969,34.909
NetDD1_36: DD1.36 R33.2 | length 4.3
  Top Layer w0.25: DD1.36@51.75,30.638 51.75,34.732 51.919,34.901 R33.2@51.919,34.911
NetDD1_43: DD1.43 R38.1 R39.1 | length 8.4
  Top Layer w0.25: R39.1@46.938,38.492 46.938,35.371 48.25,34.058 DD1.43@48.25,30.638
NetDD1_44: DD1.44 R36.1 | length 7.2
  Top Layer w0.25: R36.1@46.213,37.227 46.213,34.757 47.75,33.219 DD1.44@47.75,30.638
NetDD1_45: DD1.45 R37.1 | length 7.4
  Top Layer w0.25: R37.1@45.288,37.227 45.288,35.045 47.25,33.083 DD1.45@47.25,30.638
NetDD1_62: DD1.62 R35.1 | length 2
  Top Layer w0.25: R35.1@43.05,23.242 44.177,23.242 44.323,23.388 45,23.388 DD1.62@45.01,23.397
NetG2_1: G2.1 R30.2 | length 2
  Top Layer w0.5: R30.2@38.09,35.862 38.13,35.822 38.13,34.082 G2.1@38.25,33.963
NetL8_2: L8.2 U3.11 XW1.1 | length 21.6
  Top Layer w0.25: U3.11@111.875,2.975 111.95,3.05 115.1,3.05 ccw(c115.1,5.025) 117.075,5.025 117.075,9.36 cw(c119.615,9.36) 119.615,11.9 XW1.1@123.498,11.9 ; 115.1,3.062 L8.2@115.1,6.12
NetR2_2: R2.2 U1.9 | length 2.2
  Top Layer w0.25: U1.9@69.635,35.147 R2.2@69.635,37.362
NetR3_2: R3.2 U1.11 | length 3
  Top Layer w0.25: R3.2@66.935,34.887 67.675,34.147 U1.11@69.635,34.147
NetR4_2: R4.2 U1.17 | length 1.8
  Top Layer w0.25: R4.2@69.795,29.372 69.795,30.157 70.335,30.697 U1.17@70.335,30.947
NetR5_2: R5.2 U1.19 | length 1.8
  Top Layer w0.25: U1.19@71.335,30.947 71.335,29.397 R5.2@71.5,29.232
NetR6_2: R6.2 U1.13 | length 3.9
  Top Layer w0.25: R6.2@65.805,33.312 65.815,33.312 65.98,33.147 U1.13@69.635,33.147
NetR7_2: R7.2 U2.9 | length 2.3
  Top Layer w0.25: R7.2@69.632,18.265 69.635,18.265 U2.9@69.635,15.997
NetR8_2: R8.2 U2.17 | length 2.2
  Top Layer w0.25: R8.2@69.517,9.975 69.517,10.729 70.335,11.547 U2.17@70.335,11.797
NetR9_2: R9.2 U2.19 | length 1.6
  Top Layer w0.25: U2.19@71.335,11.797 71.335,10.4 R9.2@71.5,10.235
NetR10_2: R10.2 U2.13 | length 2.7
  Top Layer w0.25: R10.2@67.042,14.162 67.207,13.997 U2.13@69.635,13.997
NetR11_2: R11.2 U2.20 | length 1.9
  Top Layer w0.25: U2.20@71.835,11.797 71.835,11.082 R11.2@72.682,10.235
NetR12_2: R12.2 U1.20 | length 2
  Top Layer w0.25: U1.20@71.835,30.947 71.835,30.017 R12.2@72.62,29.232
NetR13_2: R13.2 U1.12 | length 4.1
  Top Layer w0.25: R13.2@65.805,34.497 66.068,34.234 ccw(c67.485,35.651) 67.485,33.647 U1.12@69.635,33.647
NetR14_2: R14.2 U2.12 | length 2.8
  Top Layer w0.25: R14.2@67.042,15.225 67.26,15.225 cw(c67.26,13.603) 68.407,14.75 ccw(c69.017,15.361) 69.017,14.497 U2.12@69.635,14.497
NetR23_2: R23.2 VD1.1 | length 1.3
  Top Layer w0.5: VD1.1@36.4,-0.525 36.4,-0.44 36.475,-0.365 R23.2@37.6,-0.365
NetR24_2: R24.2 VD2.1 | length 1.3
  Top Layer w0.5: VD2.1@36.4,1.681 36.4,1.779 36.475,1.854 R24.2@37.6,1.854
NetR25_2: R25.2 VD3.1 | length 1.3
  Top Layer w0.5: VD3.1@36.4,3.888 36.4,3.997 36.475,4.072 R25.2@37.6,4.072
NetR27_2: R27.2 VD4.1 | length 1.4
  Top Layer w0.5: VD4.1@36.4,6.094 36.4,6.216 36.475,6.291 R27.2@37.6,6.291
NetR28_2: R28.2 VD5.1 | length 1.4
  Top Layer w0.5: VD5.1@36.4,8.3 36.4,8.435 36.475,8.51 R28.2@37.6,8.51
NetR46_2: R46.2 U3.14 | length 2
  Top Layer w0.25: U3.14@111.875,6.275 111.883,6.283 113.842,6.283 R46.2@113.85,6.29
NSS_A: DD1.64 R12.1 | length 50.4
  Top Layer w0.25: v1@44.682,21.945 v1(44.635,21.897) 44.635,21.965 44.725,22.055 44.725,22.388 44.75,22.413 DD1.64@45.025,22.413 ; v1(63.329,26.102) 64.924,27.697 72.005,27.697 R12.1@72.62,28.312
  Bottom Layer w0.25: v1(44.635,21.897) 44.635,17.12 49.72,12.034 62.733,12.034 63.329,12.631 v1(63.329,26.102)
NSS_B: DD1.19 R11.1 | length 27.6
  Top Layer w0.25: DD1.19@53.975,23.413 56.551,23.413 58.216,21.747 58.216,17.781 67.547,8.45 71.817,8.45 R11.1@72.682,9.315
PA_A_CTRL: DD1.15 R19.1 | length 65.6
  Top Layer w0.25: DD1.15@52.75,21.688 52.75,20.575 v1(62.85,10.475) ; v1(92.2,31.675) 95.94,35.415 R19.1@95.94,37.2
  Bottom Layer w0.25: v1(62.85,10.475) 62.918,10.475 63.247,10.146 78.819,10.146 86.15,17.477 86.15,25.625 91.175,30.65 v1(92.2,31.675)
PA_G0: DD1.18 R17.1 | length 82
  Top Layer w0.25: DD1.18@53.975,22.913 56.415,22.913 57.766,21.561 57.766,17.334 v1(63.929,11.171) ; v1(103,33.625) v1@103.01,33.635
  Top Layer w0.5: v1@103.01,33.635 v1(104.875,35.5)
  Bottom Layer w0.25: v1(63.929,11.171) 78.571,11.171 82.55,15.15 82.55,25.875 90.3,33.625 v1(103,33.625)
  Bottom Layer w0.5: v1(101.885,41.665) 104.875,38.675 v1(104.875,35.5)
PA_G1: DD1.17 R18.1 | length 85.9
  Top Layer w0.25: DD1.17@53.975,22.413 56.278,22.413 57.316,21.375 57.316,16.909 63.025,11.2 v1(63.075,11.2) ; v1(103.15,32.55) v1@103.175,32.525
  Top Layer w0.5: v1@103.175,32.525 103.8,32.525 v1(105.6,34.325)
  Bottom Layer w0.25: v1(63.075,11.2) 63.679,10.596 78.632,10.596 84.225,16.189 84.225,25.95 90.825,32.55 v1(103.15,32.55)
  Bottom Layer w0.5: v1(103.645,44.725) 105.6,42.77 v1(105.6,34.325)
PWR_MAIN: C68.1 C69.1 C70.1 C71.1 C72.1 C73.1 C74.1 C75.1 DA4.5 DA4.7 DA5.5 DA5.7 DA6.5 DA6.7 DA7.5 DA7.7 R48.1 R49.1 R50.1 R51.1 XP2.1 | length 95.8
  Top Layer w0.3: DA4.5@14.147,23.088 14.151,23.091 DA4.5@14.161,23.091
  Top Layer w0.381: R48.1@12.125,23.09 R48.1@12.142,23.108 ; DA4.5@14.145,23.125 14.127,23.108 DA4.5@14.147,23.088 ; C68.1@14.147,20.938 C68.1@14.15,20.935 ; C72.1@16.65,20.935 C72.1@16.667,20.953 ; DA4.7@16.667,23.108 DA4.7@16.685,23.125
  Top Layer w0.5: C70.1@-3.04,18.85 -0.925,18.85 DA6.7@-0.925,18.84 ; C70.1@-3.04,18.875 C74.1@-3.04,21.35 -3.025,21.365 -0.95,21.365 DA6.5@-0.935,21.38 ; DA6.5@-0.925,21.38 DA6.5@-0.935,21.38 ; -0.925,25.575 -0.925,23.45 R50.1@-0.935,23.45 DA6.5@-0.935,21.38 ; 9.89,37.415 R51.1@12.2,37.415 12.205,37.42 DA7.5@14.27,37.42 ; 9.9,12.875 9.9,9.515 R49.1@12.725,9.515 DA5.5@14.835,9.515 ; 9.9,23.023 9.9,23.09 R48.1@12.125,23.09 ; R48.1@12.142,23.108 DA4.5@14.127,23.108 ; DA4.5@14.145,23.125 14.147,23.123 14.147,23.088 C68.1@14.147,20.938 ; C68.1@14.15,20.935 C72.1@16.65,20.935 16.652,20.935 16.667,20.95 16.667,20.953 DA4.7@16.667,23.108 ; DA7.5@14.27,37.415 DA7.5@14.27,37.42 ; C73.1@14.825,7.31 C73.1@14.835,7.31 ; DA5.5@14.835,9.575 DA5.5@14.835,9.515 ; DA7.7@16.81,37.425 16.8,37.425 C71.1@16.8,35.26 C75.1@14.275,35.26 DA7.5@14.275,37.425 ; DA5.7@17.375,9.575 C69.1@17.375,7.31 C73.1@14.835,7.31 ; DA7.5@14.27,37.42 DA7.5@14.27,37.425 DA7.5@14.275,37.425 ; DA7.5@14.27,37.42 DA7.5@14.275,37.425 ; C73.1@14.835,7.31 DA5.5@14.835,9.515
  Top Layer w2: -0.925,25.575 -0.925,26.975 6.6,26.975 ; 9.89,37.415 7.772,37.415 6.6,36.243 XP2.1@6.6,31.3 ; 9.9,12.875 9.9,23.023 ; 9.9,23.09 9.9,26.975 ; 6.6,26.975 9.9,26.975 ; 6.6,26.975 XP2.1@6.6,31.3 ; XP2.1@6.6,31.3 9.9,31.3 9.9,26.975
QRXD_A: R37.2 U1.14 | length 29.1
  Top Layer w0.25: R37.2@45.288,38.147 45.288,38.158 45.598,38.468 45.598,38.486 46.523,39.412 59.956,39.412 60.227,39.141 60.227,36.766 64.346,32.647 U1.14@69.635,32.647
QRXD_B: R33.1 U2.14 | length 33.9
  Top Layer w0.25: R33.1@51.919,35.831 R33.1@51.94,35.853 ; R33.1@51.94,35.996 R33.1@51.94,35.853 ; U2.14@69.635,13.497 65.832,13.497 60.466,18.863 60.466,28.997 60.466,29.634 53.656,36.444 52.531,36.444 52.012,35.925 R33.1@51.94,35.853
QTXD_A: DD1.47 R13.1 | length 34.2
  Top Layer w0.25: DD1.47@46.25,30.638 46.25,32.81 44.035,35.025 44.035,39.072 45.274,40.312 60.336,40.312 61.127,39.521 61.127,37.706 64.336,34.497 R13.1@64.885,34.497
QTXD_B: DD1.38 R14.1 | length 37.5
  Top Layer w0.25: DD1.38@50.75,30.638 50.75,37.4 51.075,37.725 53.011,37.725 53.648,37.725 61.366,30.006 61.366,19.98 R14.1@66.122,15.225
RADIO_A_EN: DD1.13 R45.1 | length 81
  Top Layer w0.25: DD1.13@51.75,21.688 51.75,18.7 55.939,14.511 56.389,14.511 v1(60.625,10.275)
  Top Layer w0.5: v1(104.675,30.425) 104.69,30.41 R45.1@108.375,30.41
  Bottom Layer w0.25: v1(60.625,10.275) 61.654,9.246 98.321,9.246 104.675,15.6 v1(104.675,30.425)
RADIO_RST: DD1.25 R2.1 R7.1 | length 40.1
  Top Layer w0.25: DD1.25@53.975,26.412 53.98,26.417 57.437,26.417 57.667,26.647 v1(57.735,26.647) ; v1(64.421,36.868) v1(64.421,38.343) ; v1(67.073,19.171) 67.087,19.185 R7.1@69.632,19.185
  Bottom Layer w0.25: v1(57.735,26.647) 57.735,27.147 60.188,29.6 64.421,29.6 ; v1(64.421,36.868) 64.421,29.6 ; v1(64.421,38.343) 64.451,38.313 69.604,38.313 v1(69.635,38.282) ; v1(67.073,19.171) 64.46,21.784 64.46,29.561 64.421,29.6
RF_CLK: C16.2 C17.1 R1.1 U1.8 U2.8 | length 26
  Top Layer w0.5: C17.1@65.047,24.395 66.152,24.395 R1.1@66.164,24.382 66.162,24.38 C16.2@67.35,24.38
  Bottom Layer w0.25: v1(70.232,16.825) 65.035,22.022 v1(65.035,24.407) 65.06,24.432 65.06,31.047 70.185,36.172 v1(70.235,36.172)
RF_IN: L7.1 R40.1 R41.2 U1.27 U2.27 | length 25.4
  Top Layer w0.3: U2.27@74.535,13.497 U2.27@74.86,13.497 ; U1.27@74.535,32.647 74.86,32.647 cw(c74.86,32.222) 74.862,32.647 76.506,32.638 ; U2.27@74.862,13.497 76.506,13.506
  Top Layer w1.2: 76.506,13.506 81.501,22.96 ; 76.506,32.638 81.501,23.184 81.556,23.079
RF_OUT: T1.1 Z1.2 | length 4.8
  Top Layer w0.25: Z1.2@91.075,35.644 Z1.2@91.075,35.969
  Top Layer w0.65: 87.884,34.087 89.707,34.087 ccw(c89.707,35.388) 90.627,34.468 ccw(c89.546,35.549) 91.075,35.549 91.075,35.644 Z1.2@91.075,36.025
RFPA_G8: C22.2 DA1.12 R17.2 | length 2.8
  Top Layer w0.25: DA1.12@99.55,41.5 100.8,41.5 R17.2@100.965,41.665 100.978,41.678 100.978,42.962 C22.2@100.99,42.975
RFPA_G16: C23.2 DA1.13 R18.2 | length 5.1
  Top Layer w0.25: DA1.13@98.85,42.2 98.85,42.475 99.247,42.475 101.29,44.518 101.29,44.576 C23.2@101.429,44.715 ; C23.2@101.45,44.715 C23.2@101.429,44.715 ; R18.2@102.725,44.725 102.72,44.72 101.434,44.72 C23.2@101.429,44.715
RFPA_VB: C28.2 C30.2 DA1.16 R21.2 | length 3.7
  Top Layer w0.25: DA1.16@97.35,42.2 97.35,44.66 C28.2@97.21,44.8 97.21,45.426 cw(c97.739,45.426) R21.2@97.365,45.8
RFPA_VPD: C24.2 DA1.6 R19.2 | length 3.1
  Top Layer w0.25: R19.2@96.86,37.2 96.877,37.217 97.832,37.217 C24.2@97.85,37.235 DA1.6@97.85,39.3
RFPA_VСС1: C27.2 C29.2 DA1.14 L3.2 R21.1 | length 5
  Top Layer w0.25: R21.1@98.285,45.8 cw(c97.79,45.305) 98.49,45.305 C27.2@98.49,44.8 98.35,44.66 DA1.14@98.35,42.2
  Top Layer w0.5: R21.1@98.285,45.8 L3.2@98.285,47.125
RFSW_CTRL: C60.2 DA3.7 R44.2 | length 3
  Top Layer w0.25: R44.2@109.295,31.575 109.307,31.588 110.462,31.588 C60.2@110.475,31.6 110.475,30.35 110.8,30.025 110.8,30 110.825,29.975 DA3.7@110.85,29.975
RFSW_EN: C61.2 DA3.8 R45.2 | length 3.5
  Top Layer w0.25: C61.2@107.325,29.475 107.333,29.483 108.367,29.483 R45.2@108.375,29.49 108.383,29.483 110.843,29.483 DA3.8@110.85,29.475
RFSW_IN: C57.2 C58.1 DA3.11 | length 10.8
  Top Layer w0.25: 111.8,27.175 DA3.11@111.8,28.525
  Top Layer w0.5: C58.1@108.75,18.61 108.753,18.613 C57.2@108.753,19.823
  Top Layer w1.2: 108.994,20.064 111.8,22.87 111.8,27.175
RFSW_OUT: DA3.5 Z2.4 | length 5.8
  Top Layer w0.3: DA3.5@111.8,30.425 111.8,30.45 111.8,30.525 cw(c112.225,30.525) 111.815,30.637 ccw(c111.525,30.714) 111.825,30.712 111.825,31.95 ; 111.825,35.075 Z2.4@111.825,36.175
  Top Layer w1.2: 111.825,31.95 111.825,35.075
SCK_A: DD1.61 R4.1 | length 48
  Top Layer w0.25: v1(43.96,23.838) 44.027,23.838 44.102,23.913 DD1.61@45.025,23.913 ; v1(63.271,28.484) 64.16,29.372 R4.1@68.875,29.372
  Bottom Layer w0.25: v1(43.96,23.838) 45.089,23.838 46.21,22.717 46.21,17.454 50.279,13.384 61.708,13.384 61.854,13.531 61.854,26.89 62.304,27.34 62.304,27.517 v1(63.271,28.484)
SCK_B: DD1.22 R8.1 | length 24.3
  Top Layer w0.25: DD1.22@53.975,24.913 58.937,24.913 59.566,24.284 59.566,18.34 67.932,9.975 R8.1@68.597,9.975
SP_CLKO: DD1.39 R3.1 | length 29.9
  Top Layer w0.25: v1(50.21,37.972) 50.23,37.952 50.23,30.658 DD1.39@50.25,30.638 ; v1(50.609,40.887) 63.695,40.887 66.935,37.647 R3.1@66.935,35.807
  Bottom Layer w0.25: v1(50.21,37.972) 50.21,40.42 50.609,40.819 v1(50.609,40.887)
SYS_CS: DD1.5 XP1.9 | length 29.5
  Top Layer w0.25: DD1.5@47.75,21.688 47.75,20.788 47.256,20.294 47.256,17.469 61.58,3.145 61.58,-0.045 XP1.9@60.455,-1.17
SYS_MISO: DD1.3 XP1.5 | length 27.8
  Top Layer w0.25: DD1.3@46.75,21.688 46.725,21.663 46.725,21.308 46.725,21.035 46.275,20.585 46.275,12.225 56.5,2 56.5,-0.045 XP1.5@55.375,-1.17
SYS_MOSI: DD1.4 XP1.7 | length 28.6
  Top Layer w0.25: DD1.4@47.25,21.688 47.25,20.924 46.725,20.399 46.725,15.214 59.04,2.899 59.04,-0.045 XP1.7@57.915,-1.17
SYS_RST: DD1.1 XP1.4 | length 23.7
  Top Layer w0.25: DD1.1@45.75,21.688 45.75,21.413 45.725,21.388 45.496,21.388 45.35,21.241 45.35,8.855 XP1.4@52.835,1.37
SYS_SCK: DD1.2 XP1.3 | length 27.8
  Top Layer w0.25: DD1.2@46.25,21.688 46.225,21.663 46.225,21.172 45.8,20.747 45.8,9.041 51.891,2.95 53.489,2.95 53.96,2.479 53.96,-0.045 XP1.3@52.835,-1.17
pads on no net: ?.MH1 ?.MH2 ?.MH3 ?.MH4 DA3.13 DD1.26 DD1.27 DD1.28 G1.2 G1.5 U1.6 U1.21 U1.22 U1.23 U1.24 U2.6 U2.11 U2.21 U2.22 U2.23 U2.24 U2.29 U2.30 U3.5 U3.9 U3.13 U3.15 U3.16 U3.17 U3.18

## Polygon pours and split planes (outlines as drawn)
GND on Bottom Layer "GND_L02_P003" (solid, pour order 3): 0,-6.312 cw(c0,-0.312) -6,-0.312 -6,43.5 cw(c0,43.5) 0,49.5 119,49.5 cw(c119,43.5) 125,43.5 125,-0.5 125,-0.864 cw(c119.324,-0.864) 119.324,-6.54 119.553,-6.535
GND on Top Layer "GND_L01_P002" (solid, pour order 2): 0,-6.312 cw(c0,-0.312) -6,-0.312 -6,43.5 cw(c0,43.5) 0,49.5 119,49.5 cw(c119,43.5) 125,43.5 125,-0.5 125,-0.864 cw(c119.324,-0.864) 119.324,-6.54 119.553,-6.535

## Other copper
Top Layer:
  rectangle net RF_IN: 81.256,22.475 83.923,23.675
  rectangle net NetC31_1: 99.15,40.025 99.95,40.5
  rectangle net PWR_MAIN: 6.6,27.344 9.9,31.026
  rectangle net "+3.3 VD": 101.9,2.975 103.45,5.325
  region net "+3,3V RFPA_VCC": 87.185,45.07 87.185,45.77 86.675,45.77 86.675,45.07
  region net +3.8V: 87.175,42.64 87.175,42.64 86.175,42.64 86.175,42.64
  region net +3.8V: 87.165,42.3 87.165,43 86.165,43 86.165,42.3
  rectangle net +3.8V: 65.8,41.078 66.5,42.078
  rectangle net +3.3V_133M: 68.57,41.068 69.27,41.578
  region net NetC77_2: 21.4,8.865 21.4,10.285 18.625,10.285 18.625,8.865
  region net +5V_RFIN: 90.785,15.045 90.785,15.745 90.275,15.745 90.275,15.045
  region net +5.6V: 90.77,12.275 90.77,12.975 89.77,12.975 89.77,12.275
  region net RF_IN: 83.923,23.675 cw(c83.926,23.5) 84.101,23.503 84.101,22.656 cw(c83.923,22.656) 83.923,22.478
  region net RF_IN: 81.256,23.681 ccw(c81.256,23.503) 81.078,23.503 81.078,22.656 ccw(c81.256,22.656) 81.256,22.478
  region net NetC52_1: 84.675,23.675 ccw(c84.675,23.425) 84.425,23.425 84.425,22.675 ccw(c84.625,22.675) 84.625,22.475 85.75,22.475 ccw(c85.762,22.662) 85.95,22.65 85.95,23.5 ccw(c85.775,23.5) 85.775,23.675
  pour cut-out: 29.737,45.05 29.737,32.075 33.263,32.075 33.263,45.05
  pour cut-out: 82.013,20.955 82.013,17.7 83.738,17.7 83.738,20.955
  pour cut-out: 81.975,52.125 81.975,45.7 83.738,45.7 83.738,52.125
  pour cut-out: 83.738,-8.1 83.738,-0.55 82.013,-0.55 82.013,-8.1
  pour cut-out: 82.013,6.125 82.013,0.95 83.738,0.95 83.738,6.125
  pour cut-out: 82.013,17 82.013,7.239 83.738,7.239 83.738,17
  pour cut-out: 82,44.675 82,31.7 83.738,31.7 83.738,44.675
  pour cut-out: 82.013,30.675 82.013,25.197 83.738,25.197 83.738,30.675
  pour cut-out: 33.275,-16.375 33.275,8.125 29.75,8.125 29.75,-16.375
  pour cut-out: 29.75,17.075 29.75,8.925 33.275,8.925 33.275,17.075
  pour cut-out: 29.75,31.05 29.75,18.075 33.275,18.075 33.275,31.05
  pour cut-out: 29.712,52.5 29.712,46.075 33.238,46.075 33.238,52.5
Bottom Layer:
  pour cut-out: 82.013,20.93 82.013,11.887 83.738,11.887 83.738,20.93
  region net +5.6V: 3.5,8.525 cw(c3.275,8.525) 3.275,8.3 1.7,8.3 cw(c1.7,8.5) 1.5,8.5 1.5,9.9 cw(c1.7,9.9) 1.7,10.1 3.3,10.1 cw(c3.3,9.9) 3.5,9.9 3.5,9.5
  region net "+1.8 VD": 45.716,24.226 45.716,25.171 52.141,25.171 52.141,24.226 cw(c51.887,24.226) 51.887,23.972 45.97,23.972 cw(c45.97,24.226)
  region net "+1.8 VD": 52.141,25.26 52.141,25.082 45.716,25.082 45.716,25.26 cw(c45.97,25.26) 45.97,25.514 51.887,25.514 cw(c51.887,25.26)
  region net "+1.8 VD": 26.3,12 cw(c26.3,12.225) 26.075,12.225 26.075,13.8 cw(c26.275,13.8) 26.275,14 27.675,14 cw(c27.675,13.8) 27.875,13.8 27.875,12.2 cw(c27.675,12.2) 27.675,12 27.275,12
  region net "+3.3 VD": 26.5,25.475 cw(c26.5,25.7) 26.275,25.7 26.275,27.275 cw(c26.475,27.275) 26.475,27.475 27.875,27.475 cw(c27.875,27.275) 28.075,27.275 28.075,25.675 cw(c27.875,25.675) 27.875,25.475 27.475,25.475
  pour cut-out: 29.737,45.05 29.737,32.075 33.263,32.075 33.263,45.05
  pour cut-out: 83.738,-8.1 83.738,-0.55 82.013,-0.55 82.013,-8.1
  pour cut-out: 81.975,52.125 81.975,45.7 83.738,45.7 83.738,52.125
  pour cut-out: 82,44.675 82,31.7 83.738,31.7 83.738,44.675
  pour cut-out: 82.013,30.675 82.013,26.086 83.738,26.086 83.738,30.675
  pour cut-out: 82.013,10.744 82.013,6.125 83.738,6.125 83.738,10.744
  pour cut-out: 82.013,6.125 82.013,0.95 83.738,0.95 83.738,6.125
  pour cut-out: 33.275,-16.375 33.275,8.125 29.75,8.125 29.75,-16.375
  pour cut-out: 29.75,31.05 29.75,18.075 33.275,18.075 33.275,31.05
  pour cut-out: 29.75,17.075 29.75,8.925 33.275,8.925 33.275,17.075
  pour cut-out: 29.712,52.5 29.712,46.075 33.238,46.075 33.238,52.5

## Silkscreen, mask and mechanical layers (free items; w line width, h text height)
Top Overlay:
  circle w0.3: c72.925,-1.196 r0.1
  circle w0.3: c72.925,1.604 r0.1
  lines w0.25: 71.972,-1.746 ccw(c72.925,-1.196) 73.877,-1.746 ; 71.972,2.154 cw(c72.925,1.604) 73.877,2.154 ; 72.405,-1.496 ccw(c72.925,-1.196) 73.444,-1.496 ; 72.405,1.904 cw(c72.925,1.604) 73.444,1.904
  text "RX_N_EMPTY" at 39.975,7.898 h1.5
  text "SENSOR_PKT" at 39.975,5.663 h1.5
  text "BH_PKT" at 39.975,3.563 h1.5
  text "GND" at 50.714,3.478 h1.5 r90
  text "RST" at 53.015,3.478 h1.5 r90
  text "GPS_TX" at 55.561,3.478 h1.5 r90
  text "GPS_RX" at 58.108,3.478 h1.5 r90
  text "GPS_NSS" at 60.654,3.478 h1.5 r90
  text "FSK_PKT" at 39.975,1.328 h1.5
  text "TX_ON" at 39.975,-0.906 h1.5
  text "A" at 70.153,-1.195 h5
  text "P" at 73.482,-1.195 h5
  text "CS" at 60.899,-4.052 h1.5 r90
  text "CLK" at 53.258,-4.786 h1.5 r90
  text "GND" at 50.714,-4.805 h1.5 r90
  text "MOSI" at 58.352,-5.458 h1.5 r90
  text "MISO" at 55.805,-5.53 h1.5 r90
Board Outline:
  lines w1.2: 119,49.5 cw(c119,43.5) 125,43.5 125,-0.5 ; 119.167,49.5 0,49.5 ccw(c0,43.5) -6,43.5 -6,-0.312 ccw(c0,-0.312) 0,-6.312 119.553,-6.535 ; 119.324,-6.54 ccw(c119.324,-0.864) 125,-0.864